# Altium PCB ecoVENTV_v1.1.PcbDoc (part 2 of 3)
Units mm, origin at the board's own origin, x right, y up, seen from the top; angles counter-clockwise.
Board outline 55 x 40 mm, 4 copper layers (Top Layer, GND, POWER, Bottom Layer), stack 1.269 mm thick; 195 components, 115 nets, 548 pads, 345 vias.
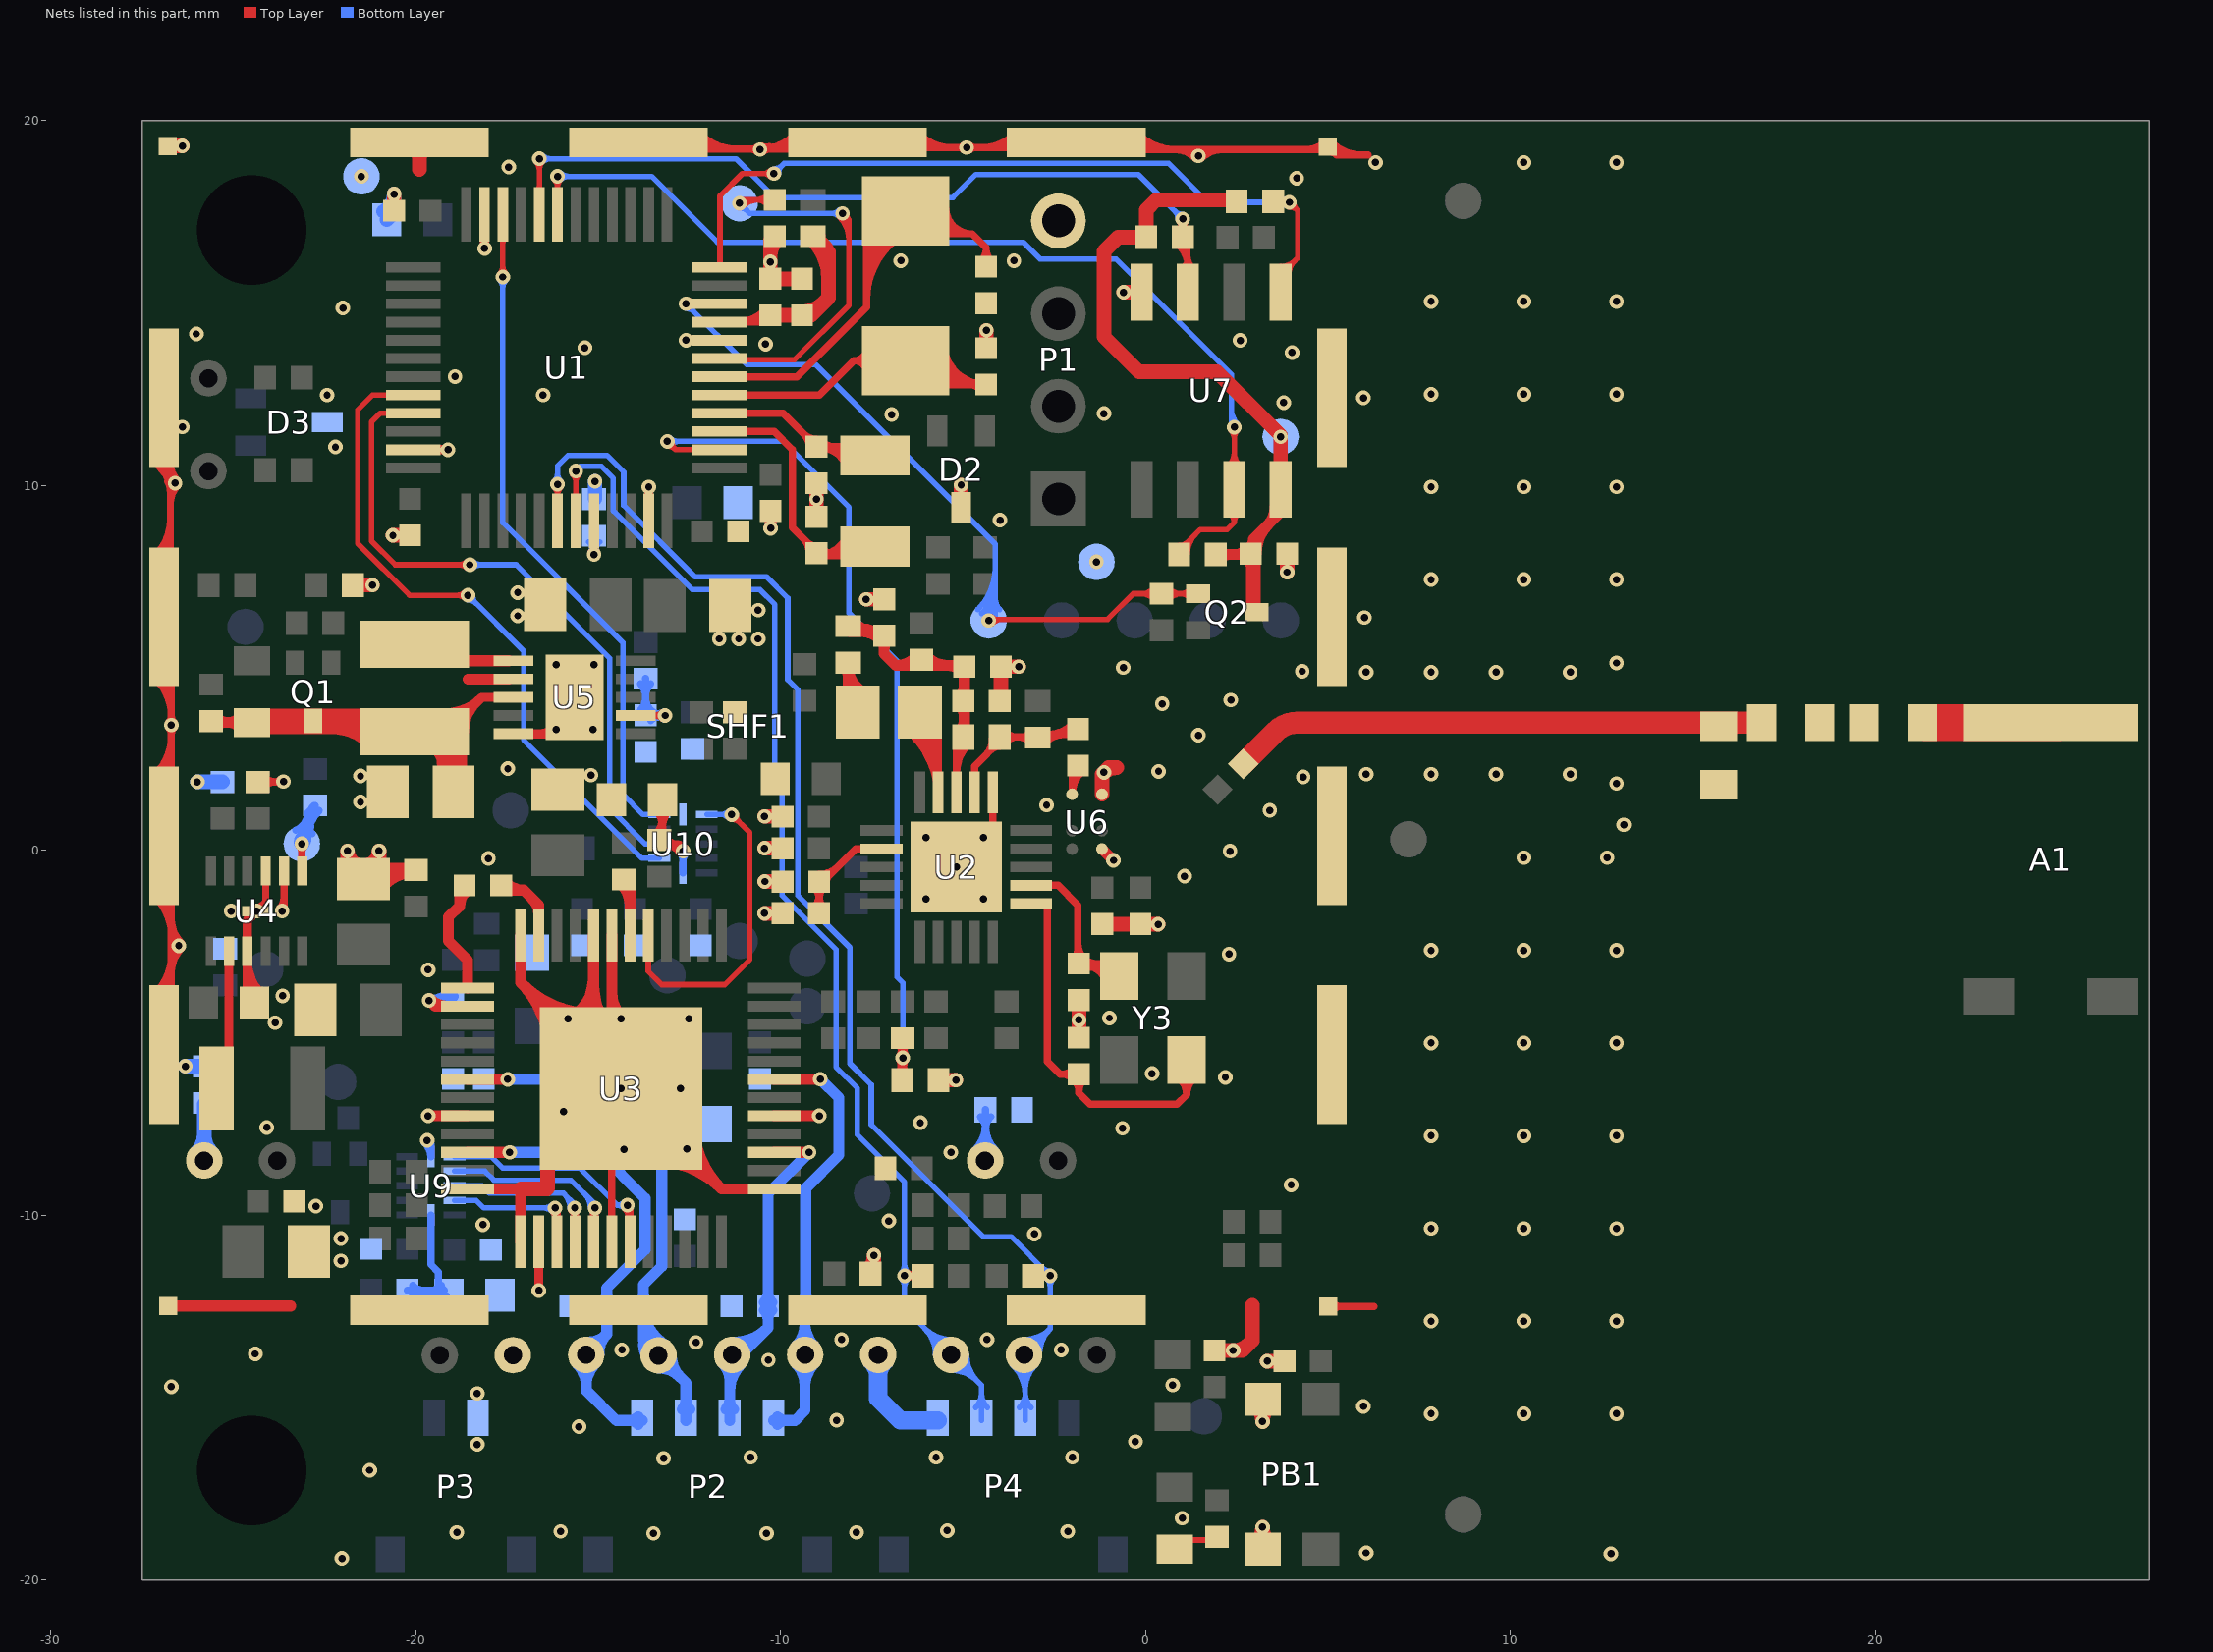
[diagram p4: the nets of this part, all layers, seen from the top]

## Via types
v1: diameter 0.4, hole 0.2, Top Layer to Bottom Layer, tented both sides, 327 vias
v2: diameter 0.4, hole 0.2, Top Layer to Bottom Layer, tented top, 11 vias
v3: diameter 0.4, hole 0.2, Top Layer to Bottom Layer, 7 vias

## Nets (pads, with @x,y where several pads share a name; then routed paths per layer and width w, separated by ;. In a path a pad name is that pad's centre, name@x,y a point inside that pad or via, vN(x,y) a via of type N, cw(c..) or ccw(c..) an arc to the next point about the centre after c; other vN are vias at no path point) (continued)
BATTERY_LOW: R5.2 R41.2 U1.2 | length 30.1
  Top Layer w0.15: v1@-13.11,11.08 cw(c-13.11,10.778) -12.896,10.991 cw(c-12.683,11.205) v1@-12.985,11.205 ; v1(-13.11,11.205) -12.882,10.977 U1.2@-11.666,10.977 ; U1.2@-12.321,10.928 ccw(c-12.44,10.808) -12.44,10.977 ccw(c-12.44,11.146) U1.2@-12.321,11.027 ; R5.2@-6.834,-6.112 ccw(c-7.259,-5.686) v1(-6.658,-5.686) ; R41.2@-6.817,-5.304 cw(c-7.197,-5.686) v1(-6.658,-5.686) ; v1@-6.766,-5.749 cw(c-7.028,-5.9) -6.736,-5.978 cw(c-6.445,-6.056) v1@-6.595,-5.795 ; v1@-6.762,-5.618 ccw(c-6.97,-5.481) -6.73,-5.417 ccw(c-6.49,-5.353) v1@-6.602,-5.575 ; v1@-6.746,-5.775 cw(c-6.96,-5.988) -6.658,-5.988 cw(c-6.356,-5.988) v1@-6.57,-5.775 ; v1@-6.746,-5.598 ccw(c-6.96,-5.385) -6.658,-5.385 ccw(c-6.356,-5.385) v1@-6.57,-5.598 ; v1@-6.72,-5.795 cw(c-6.835,-5.992) -6.614,-5.933 ; v1@-6.714,-5.575 ccw(c-6.826,-5.353) -6.586,-5.417 ccw(c-6.346,-5.481) v1@-6.554,-5.618 ; R5.2@-6.658,-6.228 v1(-6.658,-5.686) ; v1@-6.658,-5.77 ccw(c-6.174,-5.77) R5.2@-6.516,-6.112 ; R41.2@-6.658,-5.145 v1(-6.658,-5.686) ; R5.2@-6.603,-5.976 cw(c-6.369,-5.913) v1@-6.56,-5.763 ; R41.2@-6.499,-5.304 ccw(c-6.119,-5.686) v1(-6.658,-5.686)
  Bottom Layer w0.15: v1(-13.11,11.205) -9.935,11.205 -8.131,9.401 -8.131,6.506 -6.81,5.185 -6.81,-3.477 -6.658,-3.629 v1(-6.658,-5.686) ; v1@-13.021,11.116 cw(c-12.808,10.903) -12.808,11.205 cw(c-12.808,11.506) v1@-13.021,11.293 ; v1@-6.746,-5.598 ccw(c-6.96,-5.385) -6.658,-5.385 ccw(c-6.356,-5.385) v1@-6.57,-5.598
F\L\A\S\H\_\C\S\: R32.2 U1.12 U7.1 | length 26.2
  Top Layer w0.15: U1.12@-11.716,16.027 ccw(c-11.835,16.146) -11.666,16.146 ccw(c-11.497,16.146) U1.12@-11.617,16.027 ; U1.12@-11.666,15.977 -11.666,17.931 -11.052,18.545 v1(-10.189,18.545) ; v1@-10.277,18.457 ccw(c-10.49,18.243) -10.49,18.545 ccw(c-10.49,18.847) v1@-10.277,18.634 ; R32.2@3.494,17.783 v1@3.908,17.783 ; R32.2@3.571,17.783 cw(c3.571,17.395) v1@3.845,17.669 ; U7.1@3.678,14.733 U7.1@3.678,15.293 ; R32.2@3.683,17.661 cw(c3.908,17.514) v1@3.908,17.783 ; R32.2@3.683,17.906 ccw(c3.908,18.052) v1@3.908,17.783 ; R32.2@3.693,17.783 ccw(c3.693,17.998) v1@3.845,17.846 ; U7.1@3.695,15.293 3.908,15.507 3.908,15.98 4.162,16.234 4.162,17.529 v1(3.934,17.758) v1@3.908,17.783 ; U7.1@3.695,15.993 ccw(c3.695,16.541) 4.083,16.154 ; U7.1@3.92,15.768 cw(c4.458,15.768) 4.078,16.149 ; v1@3.934,17.633 cw(c3.934,17.331) 4.147,17.544 cw(c4.361,17.758) v1@4.059,17.758
  Bottom Layer w0.15: v1(-10.189,18.545) -9.909,18.825 0.632,18.825 1.699,17.758 v1(3.934,17.758) ; v1@-10.189,18.67 ccw(c-10.189,18.972) -9.975,18.759 ccw(c-9.762,18.545) v1@-10.064,18.545 ; v1@3.845,17.669 ccw(c3.632,17.456) 3.632,17.758 ccw(c3.632,18.06) v1@3.845,17.846
F\L\A\S\H\_\E\N\: Q2.1 R13.2 TP1.1 U1.10 | length 29.4
  Top Layer w0.15: v1(-12.596,14.977) U1.10@-11.666,14.977 ; v1@-12.507,14.889 cw(c-12.294,14.675) -12.294,14.977 cw(c-12.294,15.279) v1@-12.507,15.065 ; U1.10@-12.321,14.928 ccw(c-12.44,14.808) -12.44,14.977 ccw(c-12.44,15.146) U1.10@-12.321,15.027 ; v1@-4.22,6.328 -1.045,6.328 -0.341,7.031 R13.2@0.429,7.031 Q2.1@1.432,7.031 ; v1@-4.212,6.212 cw(c-3.931,5.931) -3.931,6.328 ; v1@-4.212,6.388 ccw(c-4.065,6.535) -4.065,6.328 ; R13.2@0.245,6.872 ccw(c-0.14,6.488) -0.14,7.031 ccw(c-0.14,7.574) R13.2@0.245,7.19 ; R13.2@0.613,6.872 cw(c0.997,6.488) 0.997,7.031 cw(c0.997,7.574) R13.2@0.613,7.19 ; Q2.1@1.228,6.907 ccw(c0.93,6.609) 0.93,7.031 ccw(c0.93,7.453) Q2.1@1.228,7.155
  Bottom Layer w0.15: v1@-12.596,14.852 cw(c-12.596,14.55) -12.382,14.764 cw(c-12.169,14.977) v1@-12.471,14.977 ; v1(-12.596,14.977) -10.933,13.314 -9.047,13.314 -4.118,8.385 -4.118,6.429 TP1.1@-4.245,6.302 ; TP1.1@-4.601,6.601 ccw(c-5.765,7.765) -4.118,7.765 ; TP1.1@-4.494,6.494 ccw(c-5.403,7.403) -4.118,7.403 ; TP1.1@-4.322,6.288 cw(c-4.122,6.396) TP1.1@-4.319,6.509 ; TP1.1@-4.282,6.282 ccw(c-4.679,6.679) TP1.1@-4.118,6.679 ; TP1.1@-4.19,6.359 cw(c-3.844,6.546) TP1.1@-4.184,6.742 ; -4.118,6.887 ccw(c-3.713,6.887) TP1.1@-3.999,6.601 ; TP1.1@-4.388,6.388 ccw(c-5.041,7.041) -4.118,7.041 cw(c-5.041,7.041) TP1.1@-4.388,6.388
  other v1: -4.3,6.3
F\L\A\S\H\_\H\O\L\D\: R31.2 U1.19 U7.7 | length 32.5
  Top Layer w0.15: v1@-16.205,18.381 cw(c-16.418,18.167) -16.116,18.167 cw(c-15.814,18.167) v1@-16.028,18.381 ; U1.19@-16.166,18.082 ccw(c-16.285,18.201) -16.116,18.201 ccw(c-15.947,18.201) U1.19@-16.067,18.082 ; U1.19@-16.116,17.427 v1(-16.116,18.469) ; R31.2@0.919,8.106 0.919,8.215 1.495,8.792 2.232,8.792 2.425,8.985 ; R31.2@0.919,8.356 ccw(c0.919,8.695) 1.159,8.455 ; R31.2@0.994,8.131 cw(c1.38,8.131) R31.2@1.107,8.403 ; R31.2@1.144,8.131 cw(c1.892,8.131) 1.363,8.659 ; U7.7@2.266,10.528 ccw(c1.882,10.912) 2.425,10.912 ccw(c2.968,10.912) U7.7@2.584,10.528 ; U7.7@2.295,9.234 cw(c2.119,8.985) 2.425,8.985 ; v1@2.337,11.507 cw(c2.123,11.294) 2.425,11.294 cw(c2.727,11.294) v1@2.513,11.507 ; v1(2.425,11.596) U7.7@2.425,9.893 2.425,8.985 ; U7.7@2.555,9.234 ccw(c2.731,8.985) 2.425,8.985
  Bottom Layer w0.15: v1(-16.116,18.469) -13.541,18.469 -11.738,16.666 -3.356,16.666 -2.899,16.208 -0.816,16.208 2.349,13.044 v1@2.349,11.52 ; v1@-16.028,18.381 cw(c-15.814,18.167) -15.814,18.469 cw(c-15.814,18.771) v1@-16.028,18.557 ; 2.349,12.082 ccw(c2.911,12.082) v1@2.513,11.684
F\L\A\S\H\_\W\P\: R30.2 U1.20 U7.3 | length 27.7
  Top Layer w0.15: v1@-16.705,18.862 cw(c-16.918,18.648) -16.616,18.648 cw(c-16.314,18.648) v1@-16.528,18.862 ; U1.20@-16.666,18.082 ccw(c-16.785,18.201) -16.616,18.201 ccw(c-16.447,18.201) U1.20@-16.567,18.082 ; U1.20@-16.616,17.427 v1(-16.616,18.95) ; R30.2@0.856,16.617 cw(c0.134,15.895) U7.3@1.155,15.895 ; R30.2@0.873,17 ccw(c0.631,17.298) v1@1.015,17.298 ; v1@0.924,17.212 cw(c0.706,16.994) R30.2@1.015,16.994 ; R30.2@0.962,16.723 cw(c0.496,16.257) 1.155,16.257 ; v1@0.988,17.178 cw(c0.968,17.077) 1.067,17.104 cw(c1.169,17.131) v1@1.097,17.209 ; U7.3@0.996,15.928 ccw(c0.612,16.312) 1.155,16.312 ccw(c1.698,16.312) U7.3@1.314,15.928 ; v1(1.013,17.301) v1@1.015,17.298 ; R30.2@1.015,17.004 cw(c1.309,17.004) v1@1.101,17.212 ; U7.3@1.155,15.293 1.155,16.661 R30.2@1.015,16.801 v1@1.015,17.298 ; R30.2@1.157,17 cw(c1.399,17.298) v1@1.015,17.298
  Bottom Layer w0.15: v1(-16.616,18.95) -11.229,18.95 -10.168,17.889 -5.282,17.889 -4.651,18.52 -0.206,18.52 v1(1.013,17.301) ; v1@-16.528,18.862 cw(c-16.314,18.648) -16.314,18.95 cw(c-16.314,19.252) v1@-16.528,19.039 ; v1@0.888,17.301 ccw(c0.586,17.301) 0.799,17.514 ccw(c1.013,17.727) v1@1.013,17.426
F_VCC: C43.1 Q2.3 R30.1 R31.1 R32.1 TP5.1 U7.8 | length 22.5
  Top Layer w0.3: R31.1@1.919,8.106 2.926,8.106 2.951,8.131 2.951,8.52 ; R31.1@2.025,8 cw(c2.281,7.744) 2.281,8.106 cw(c2.281,8.468) R31.1@2.025,8.212 ; 2.452,8.106 ccw(c2.452,8.555) C43.1@2.769,8.237 ; 2.574,8.106 cw(c2.574,7.83) C43.1@2.769,8.025 ; C43.1@2.801,8.262 ccw(c2.654,8.52) 2.951,8.52 ; C43.1@3.025,8.131 cw(c4.142,8.131) 3.352,8.921 ; 3.33,8.899 ccw(c2.81,9.418) U7.8@3.545,9.418 ; U7.8@3.695,9.893 3.695,9.264 2.951,8.52
  Top Layer w0.4: R32.1@2.494,17.783 2.45,17.828 0.295,17.828 0.015,17.547 R30.1@0.015,16.801 -0.757,16.801 -1.146,16.412 -1.146,14.075 -0.181,13.11 1.953,13.11 3.695,11.367 U7.8@3.695,9.893 ; C43.1@2.804,8.06 cw(c2.45,7.706) 2.951,7.706 ; C43.1@2.951,8.131 2.951,6.612 Q2.3@3.032,6.531
  other v2: 3.695,11.332
GND: C1.2 C2.2 C3.2 C4.2 C5.2 C6.2 C7.2 C8.2 C9.2 C10.2 C11.2 C12.2 C13.2 C14.2 C16.2 C18.2 C19.2 C20.2 C21.2 C22.2 C23.2 C24.2 C25.2 C26.2 C27.2 C28.2 C29.2 C30.2 C31.2 C32.2 C33.2 C34.2 C35.2 C36.2 C37.2 C39.2 C42.2 C43.2 C44.2 C45.2 C47.2 C48.2 C49.2 C50.2 C51.2 C52.2 C53.2 C54.2 C55.2 C56.2 C57.2 C58.2 C59.2 C60.2 C61.2 D2.3 D3.3 L13.2 L14.1 L15.1 P1.4 P3.1 P4.4 PB1.3 PB1.4 R2.1 R5.1 R11.1 R16.1 R18.1 R23.1 R24.1 R29.1 R51.2 R52.1 R53.1 SHF1.1 SHF1.2 SHF1.3 SHF1.4 SHF1.5 SHF1.6 SHF1.7 SHF1.8 SHF1.9 SHF1.10 SHF1.11 SHF1.12 SHF1.13 SHF1.14 SHF1.15 SHF1.16 SHF1.17 SHF1.18 SHF1.19 SHF1.20 TP8.1 TP9.1 TP24.1 TP29.1 U1.8 U1.23 U1.35 U1.47 U2.11 U2.21 U3.1 U3.2 U3.6 U3.13 U3.17 U3.31 U3.32 U3.36 U3.44 U3.48 U3.49 U4.3 U4.8 U4.9 U4.13 U5.5 U5.11 U6.A1 U6.C1 U7.4 U9.6 U10.6 | length 211.1
  Top Layer w0.2: SHF1.2@-27.112,-3.888 ccw(c-28.11,-2.89) -26.699,-2.89 ; SHF1.3@-27.112,-1.312 cw(c-28.11,-2.31) -26.699,-2.31 ; SHF1.3@-27.112,2.112 ccw(c-28.11,3.11) -26.699,3.11 ; SHF1.4@-27.112,4.688 cw(c-28.11,3.69) -26.699,3.69 ; SHF1.4@-27.112,8.112 ccw(c-28.049,9.049) -26.724,9.049 ; SHF1.5@-27.112,10.688 cw(c-28.049,9.751) -26.724,9.751 ; SHF1.5@-27.025,10.528 ccw(c-26.35,10.894) v1@-26.569,10.157 ; SHF1.2@-26.971,-4.029 ccw(c-27.628,-3.372) -26.699,-3.372 ; SHF1.3@-26.971,-1.171 cw(c-27.628,-1.828) -26.699,-1.828 ; SHF1.3@-26.971,1.971 ccw(c-27.628,2.628) -26.699,2.628 ; SHF1.4@-26.971,4.829 cw(c-27.628,4.172) -26.699,4.172 ; SHF1.4@-26.971,7.971 ccw(c-27.566,8.566) -26.724,8.566 ; SHF1.5@-26.971,10.829 cw(c-27.566,10.234) -26.724,10.234 ; SHF1.2@-26.9,-5.6 -26.699,-5.399 -26.699,0.199 SHF1.3@-26.9,0.4 -26.699,0.601 -26.699,6.199 SHF1.4@-26.9,6.4 -26.724,6.576 -26.724,12.224 SHF1.5@-26.9,12.4 ; -26.795,10.103 ccw(c-26.544,10.239) v1@-26.625,9.966 ; -26.784,10.457 ccw(c-26.293,10.588) v1@-26.547,10.148 ; v1@-26.769,3.361 cw(c-26.94,3.191) -26.699,3.191 cw(c-26.457,3.191) v1@-26.628,3.361 ; v1@-26.769,3.503 ccw(c-26.94,3.674) -26.699,3.674 ccw(c-26.457,3.674) v1@-26.628,3.503 ; -26.759,10.364 ccw(c-26.466,10.443) v1@-26.565,10.156 ; -26.724,9.514 cw(c-26.049,9.514) v1@-26.526,9.991 ; SHF1.5@-26.724,10.61 ccw(c-26.049,10.61) v1@-26.526,10.132 ; -26.699,-3.345 cw(c-25.763,-3.345) v1@-26.425,-2.684 ; -26.699,-2.862 cw(c-26.246,-2.862) v1@-26.566,-2.542 ; -26.699,-2.364 ccw(c-26.246,-2.364) v1@-26.566,-2.684 ; -26.699,-1.881 ccw(c-25.763,-1.881) v1@-26.425,-2.542 ; v3(-24.363,-1.663) -24.113,-1.413 U4.9@-24.113,-0.563 ; U4.13@-24.363,-1.563 ccw(c-24.363,-1.321) -24.193,-1.492 ccw(c-24.022,-1.663) U4.13@-24.263,-1.663 ; R16.1@-24.336,1.875 -23.633,1.875 v1(-23.625,1.883) ; R16.1@-24.17,1.733 cw(c-23.829,1.392) -23.829,1.875 cw(c-23.829,2.358) R16.1@-24.17,2.016 ; -23.886,1.875 ccw(c-23.886,2.144) v1@-23.696,1.954 ; -23.847,1.875 cw(c-23.847,1.661) v1@-23.696,1.812 ; v3@-23.734,-1.592 ccw(c-24.026,-1.301) -23.613,-1.301 ; v3(-23.663,-1.663) -23.613,-1.613 U4.8@-23.613,-0.563 ; U3.6@-14.63,-10.725 -14.634,-10.721 -14.634,-6.779 v2(-14.38,-6.525) ; U3.49@-14.48,-6.525 cw(c-14.721,-6.525) -14.55,-6.695 cw(c-14.38,-6.866) U3.49@-14.38,-6.625 ; SHF1.8@-13.9,19.222 SHF1.9@-7.9,19.222 ; SHF1.8@-12.329,19.471 ccw(c-11.729,20.071) -11.729,19.222 ; SHF1.8@-12.188,19.612 ccw(c-11.246,20.554) -11.246,19.222 ; -10.851,19.222 cw(c-10.851,18.924) v1@-10.64,19.135 ; -10.771,19.222 ccw(c-10.771,19.407) v1@-10.64,19.276 ; v1@-10.554,19.222 ccw(c-10.554,20.554) SHF1.9@-9.612,19.612 ; v1@-10.52,19.292 ccw(c-10.419,19.466) -10.367,19.272 ; v1@-10.499,19.135 cw(c-10.288,18.924) -10.288,19.222 ; v1@-10.499,19.276 ccw(c-10.368,19.407) -10.368,19.222 ; v1@-10.483,19.156 cw(c-10.239,19.015) -10.312,19.287 ; -10.071,19.222 ccw(c-10.071,20.071) SHF1.9@-9.471,19.471 ; SHF1.9@-7.9,19.256 v1(-4.905,19.256) SHF1.10@-1.9,19.256 ; SHF1.9@-6.329,19.471 ccw(c-5.812,19.988) -5.812,19.256 ; SHF1.9@-6.188,19.188 cw(c-6.022,19.022) SHF1.9@-6.022,19.256 ; SHF1.9@-6.188,19.612 ccw(c-5.329,20.471) -5.329,19.256 ; v1(-5.188,-0.458) U2.21@-4.188,0.542 ; U2.21@-5.188,-0.358 ccw(c-5.188,-0.117) -5.018,-0.287 ccw(c-4.847,-0.458) U2.21@-5.088,-0.458 ; v1@-4.976,19.186 ccw(c-5.147,19.015) -5.147,19.256 ccw(c-5.147,19.498) v1@-4.976,19.327 ; v1@-4.835,19.186 cw(c-4.664,19.015) -4.664,19.256 cw(c-4.664,19.498) v1@-4.835,19.327 ; U2.21@-4.66,0.071 ccw(c-4.938,0.349) U2.21@-4.545,0.349 ; -4.471,19.256 ccw(c-4.471,20.471) SHF1.10@-3.612,19.612 ; U2.21@-4.438,0.448 ccw(c-4.416,0.77) U2.21@-4.188,0.542 ; U2.11@-4.188,1.592 U2.21@-4.188,0.542 ; -3.988,19.256 ccw(c-3.988,19.988) SHF1.10@-3.471,19.471 ; SHF1.10@-3.778,19.256 cw(c-3.778,19.022) SHF1.10@-3.612,19.188 ; SHF1.10@-1.9,19.4 -1.706,19.206 4.906,19.206 SHF1.11@4.989,19.289 5.225,19.053 6.093,19.053 ; SHF1.10@-0.329,19.471 ccw(c0.311,20.111) 0.311,19.206 ; SHF1.10@-0.188,19.612 ccw(c0.794,20.594) 0.794,19.206 ; 0.774,19.206 cw(c0.774,18.357) v1@1.374,18.957 ; 1.257,19.206 cw(c1.257,18.84) v1@1.515,19.099 ; v1@1.374,19.099 cw(c1.632,18.84) 1.632,19.206 ; v1@1.515,18.957 cw(c2.115,18.357) 2.115,19.206 ; 4.426,19.206 ccw(c4.426,19.852) SHF1.11@4.883,19.395 ; SHF1.11@4.954,19.254 ccw(c5.438,19.738) 5.438,19.053 ; SHF1.16@5,-12.5 6.252,-12.5 ; SHF1.11@5.095,19.395 ccw(c5.92,20.22) 5.92,19.053 ; SHF1.16@5.106,-12.606 cw(c5.362,-12.862) 5.362,-12.5 cw(c5.362,-12.138) SHF1.16@5.106,-12.394
  Top Layer w0.25: -16.64,-9.275 -16.635,-9.28 ; v1(-16.63,-12.062) U3.2@-16.63,-10.725
  Top Layer w0.254: -24.623,-3.612 ccw(c-23.898,-3.612) C19.2@-24.41,-4.124 ; U4.3@-24.623,-2.999 ccw(c-23.285,-2.999) C19.2@-24.231,-3.945 ; U4.3@-24.623,-2.834 -24.623,-4.006 C19.2@-24.256,-4.373 ; U4.3@-24.613,-2.763 -24.613,-1.913 v3(-24.363,-1.663) ; U1.35@-20.066,10.977 v1(-19.117,10.977) ; v1(-18.116,16.496) U1.23@-18.116,17.427 ; U5.5@-17.455,3.194 -16.37,3.194 ccw(c-16.37,3.336) U5.11@-16.23,3.316 ; -16.602,3.194 ccw(c-16.602,3.749) U5.11@-16.209,3.357 ; U1.47@-13.616,9.027 v1(-13.616,9.958) ; v1(-12.597,13.977) U1.8@-11.666,13.977 ; C1.2@-10.401,9.176 cw(c-10.696,8.88) -10.278,8.88 cw(c-9.861,8.88) C1.2@-10.156,9.176 ; v1@-10.341,8.861 ccw(c-10.537,8.974) C1.2@-10.319,9.032 ; v1(-10.278,8.825) C1.2@-10.278,9.298 ; C1.2@-10.237,9.032 ccw(c-10.02,8.974) v1@-10.215,8.861
  Top Layer w0.3: SHF1.1@-26.789,-12.489 -23.427,-12.489 ; v1(-19.663,-7.275) U3.44@-18.58,-7.275 ; U3.48@-18.58,-9.275 -17.123,-9.275 -17.13,-9.281 U3.1@-17.13,-10.725 ; U3.36@-17.13,-2.325 -17.13,-3.622 ; -16.741,-4.011 cw(c-18.383,-5.653) U3.49@-16.114,-6.147 ; -16.698,-4.053 ccw(c-14.931,-2.286) U3.49@-14.609,-4.764 ; U3.49@-16.433,-4.319 ccw(c-15.827,-3.713) U3.49@-15.827,-4.57 ; U3.49@-16.407,-6.083 ccw(c-19.021,-5.514) -17.129,-3.622 ; U3.49@-16.386,-8.582 -16.036,-8.232 -15.477,-8.232 -15.13,-7.884 -15.13,-7.275 U3.49@-14.634,-6.779 ; U3.49@-16.353,-4.399 cw(c-17.745,-5.792) U3.49@-15.821,-6.211 ; U3.49@-16.268,-4.484 ccw(c-14.832,-3.049) U3.49@-14.57,-5.062 ; U3.49@-16.238,-4.508 ccw(c-15.984,-4.192) U3.49@-15.845,-4.573 ; U3.49@-15.964,-4.788 cw(c-17.107,-5.931) U3.49@-15.528,-6.275 ; U3.49@-15.847,-5.057 ccw(c-17.578,-3.326) -15.13,-3.326 ; U3.49@-15.843,-4.572 ccw(c-16.161,-3.613) -15.258,-4.067 ; U3.49@-15.783,-4.597 ccw(c-15.18,-4.292) U3.49@-15.39,-4.934 ; U3.49@-15.779,-4.633 ccw(c-14.995,-4.843) U3.49@-15.698,-5.249 ; U3.49@-15.777,-4.62 ccw(c-14.921,-4.62) U3.49@-15.527,-5.225 ; U3.49@-15.635,-5.269 ccw(c-16.854,-4.05) -15.13,-4.05 ; U3.49@-15.13,-5.775 U3.49@-14.63,-6.275 ; -15.13,-4.109 ccw(c-13.396,-4.109) U3.49@-14.05,-5.714 ; -15.13,-3.663 ccw(c-13.215,-3.663) U3.49@-13.937,-5.436 ; U3.32@-15.13,-2.325 -15.13,-5.622 -17.13,-3.622 ; U3.49@-14.647,-4.467 cw(c-15.03,-1.523) -17.129,-3.622 ; U3.49@-14.63,-5.344 cw(c-13.655,-5.344) U3.49@-14.344,-4.655 ; -14.63,-3.895 ccw(c-13.655,-3.895) U3.49@-14.344,-4.584 ; U3.31@-14.63,-2.325 U3.49@-14.63,-6.275 ; U3.49@-14.367,-4.668 cw(c-14.238,-5.181) U3.49@-13.967,-4.727 ; U3.49@-14.331,-4.609 ccw(c-13.714,-4.478) U3.49@-14.057,-5.007 ; U3.49@-14.094,-7.972 cw(c-13.735,-9.79) -12.425,-8.479 cw(c-11.115,-7.169) U3.49@-12.933,-6.81 ; U3.49@-14.036,-8.266 cw(c-13.604,-10.454) -12.027,-8.877 cw(c-10.451,-7.3) U3.49@-12.638,-6.868 ; U3.49@-13.978,-8.56 cw(c-13.473,-11.118) -11.63,-9.274 ; U3.49@-13.026,-8.154 ccw(c-12.841,-7.625) U3.49@-12.598,-8.131 ; U3.49@-12.922,-7.982 ccw(c-12.576,-7.637) U3.49@-12.576,-8.126 ; U3.49@-12.747,-7.884 ccw(c-12.35,-7.773) U3.49@-12.552,-8.132 ; U3.49@-12.617,-8.146 ccw(c-12.921,-7.923) U3.49@-12.548,-7.866 ; U3.49@-12.586,-8.225 cw(c-12.648,-8.548) U3.49@-12.375,-8.363 ; U3.49@-12.527,-8.183 ccw(c-12.185,-8.23) U3.49@-12.408,-8.493 ; U3.49@-12.526,-8.181 ccw(c-12.152,-8.218) U3.49@-12.444,-8.456 ; U3.49@-12.526,-8.176 ccw(c-12.038,-8.176) U3.49@-12.383,-8.521 ; U3.49@-12.344,-6.926 ccw(c-9.786,-7.431) -11.63,-9.274 ; U3.13@-10.18,-9.275 -11.63,-9.275 ; U3.17@-10.18,-7.275 v1(-8.944,-7.275) ; U6.A1@-1.197,0.037 v1(-0.884,-0.276) ; U3.49@-14.63,-6.275 v2(-14.38,-6.525) -11.63,-9.275
  Top Layer w0.4: SHF1.6@-26.8,19.3 v1(-26.4,19.3) ; C23.2@-21.873,-0.505 v1(-21.873,-0.014) ccw(c-21.467,-0.014) C23.2@-21.53,-0.415 ; R29.1@-21.728,7.268 v1(-21.187,7.268) ; C23.2@-21.439,-0.785 -21.191,-0.538 R52.1@-19.993,-0.538 ccw(c-19.993,-1.823) C23.2@-20.996,-1.02 ; C23.2@-21.35,-0.415 ccw(c-21.416,-0.014) v1(-21.009,-0.014) C23.2@-21.009,-0.505 ; v1(-20.628,8.63) C3.2@-20.162,8.631 ; C2.2@-20.595,17.529 v1(-20.595,17.985) ; SHF1.7@-20.041,19.259 cw(c-20.383,18.917) -19.9,18.917 cw(c-19.417,18.917) SHF1.7@-19.759,19.259 ; -19.9,18.655 SHF1.7@-19.9,19.4 ; -17.123,-9.275 -16.64,-9.275 -16.402,-9.275 -16.386,-9.259 U3.49@-16.386,-8.582 ; v1(-10.442,-1.724) C7.2@-9.952,-1.724 ; v1(-10.442,0.06) C31.2@-9.952,0.06 ; v1(-10.442,0.928) C32.2@-9.952,0.928 ; v1(-10.439,-0.854) C33.2@-9.948,-0.854 ; C9.2@-10.335,15.661 C8.2@-9.421,15.661 ; C9.2@-10.284,15.661 v1(-10.284,16.127) -10.284,16.705 C42.2@-10.163,16.826 ; v1@-10.284,16.292 cw(c-9.629,16.292) C42.2@-10.092,16.755 ; C10.2@-9.02,9.08 C11.2@-9.02,10.062 ; v1(-7.658,6.879) C34.2@-7.168,6.879 ; R51.2@-7.61,-11.504 ccw(c-8.006,-11.108) v1@-7.445,-11.108 ; R51.2@-7.539,-11.6 -7.445,-11.506 v1(-7.445,-11.097) ; R5.1@-5.675,-6.296 v1(-5.202,-6.296) ; D2.3@-5.058,9.393 v2(-5.058,10.011) ; C12.2@-4.366,13.762 v1(-4.366,14.252) ; C36.2@-4.07,4.163 ccw(c-4.31,4.404) -3.97,4.404 ; C36.2@-3.97,4.093 C35.2@-3.97,5.032 v1(-3.48,5.032) ; C39.2@-1.836,-5.1 -1.832,-5.096 C37.2@-1.832,-4.101 ; U6.C1@-1.197,1.537 -1.197,2.086 -1.019,2.264 -0.791,2.264 ccw(c-0.791,1.712) v1@-1.181,2.102 ; C29.2@-1.19,-2.021 C28.2@-0.149,-2.021 ; v1(-0.606,15.293) U7.4@-0.115,15.293 ; C28.2@-0.149,-2.027 v1(0.342,-2.027) ; C45.2@1.885,-13.706 v1(2.393,-13.706) ; 2.824,-13.527 cw(c2.393,-13.095) v1(2.393,-13.706) ; 2.918,-12.468 2.918,-13.433 2.646,-13.706 v1(2.393,-13.706) ; PB1.3@3.024,-18.973 ccw(c2.6,-18.548) v1(3.2,-18.548) ccw(c3.8,-18.548) PB1.3@3.376,-18.973 ; PB1.4@3.024,-15.227 cw(c2.6,-15.652) v1(3.2,-15.652) ; PB1.3@3.2,-19.15 v1(3.2,-18.548) ; PB1.4@3.2,-15.05 v1(3.2,-15.652) ; v1(3.327,-14) C44.2@3.8,-14 ; PB1.4@3.376,-15.227 ccw(c3.8,-15.652) v1(3.2,-15.652) ; v1(3.875,7.623) C43.2@3.875,8.131
  Bottom Layer w0.2: v1@-19.756,-8.021 cw(c-20.103,-8.403) U9.6@-19.587,-8.403 ; v1(-19.688,-7.947) cw(c-19.932,-8.192) U9.6@-19.587,-8.192 ; v1(-19.688,-7.947) -19.587,-8.049 U9.6@-19.587,-8.392
  Bottom Layer w0.4: v1(-26.318,-5.915) -25.767,-5.915 L14.1@-25.759,-5.923 ; v1(-25.987,1.875) R18.1@-25.302,1.875 ; C6.2@-20.886,17.507 ccw(c-21.132,17.985) v1(-20.595,17.985) -20.595,17.479 C6.2@-20.795,17.279 ; R2.1@-15.091,9.647 v1(-15.091,10.112)
  Bottom Layer w0.5: TP29.1@-7.51,-14.001 cw(c-7.936,-14.428) -7.333,-14.428 cw(c-6.729,-14.428) TP29.1@-7.156,-14.001 ; TP29.1@-7.333,-13.825 -7.333,-15.019 -6.727,-15.625 P4.4@-5.7,-15.625
  other v1: -22.025,-19.402 12.748,-19.275 6.042,-19.25 -13.491,-18.717 -10.392,-18.717 -18.875,-18.691 -7.928,-18.691 -16.031,-18.666 -2.137,-18.666 -5.439,-18.64 1,-18.3 -21.263,-16.989 -13.211,-16.659 -10.824,-16.634 -5.744,-16.634 -2.01,-16.634 -18.317,-16.278 -0.283,-16.202 -15.531,-15.796 -8.469,-15.618 7.82,-15.44 10.36,-15.44 12.9,-15.44 5.966,-15.237 -18.317,-14.881 -26.7,-14.7 0.741,-14.653 -10.341,-13.967 -24.4,-13.8 -14.354,-13.687 -2.315,-13.687 -12.322,-13.484 -8.334,-13.408 -4.347,-13.408 7.82,-12.9 10.36,-12.9 12.9,-12.9 -22.05,-11.249 -22.05,-10.639 -3.051,-10.512 7.82,-10.36 10.36,-10.36 12.9,-10.36 -18.164,-10.258 -7.039,-10.157 -22.736,-9.75 3.985,-9.166 -5.337,-8.277 7.82,-7.82 10.36,-7.82 12.9,-7.82 -0.638,-7.617 -24.082,-7.591 -6.175,-7.464 2.181,-6.22 0.175,-6.118 7.82,-5.28 10.36,-5.28 12.9,-5.28 -23.854,-4.721 -1.832,-4.645 -0.994,-4.594 -23.651,-3.985 -19.663,-3.273 2.283,-2.842 7.82,-2.74 10.36,-2.74 12.9,-2.74 -26.495,-2.613 -6.019,-1.328 -4.445,-1.328 1.064,-0.708 -18.012,-0.225 10.36,-0.2 12.646,-0.2 2.308,-0.022 -6.019,0.349 -4.445,0.349 13.1,0.7 3.4,1.095 -2.717,1.238 -21.517,1.324 12.9,1.832 4.315,2.01 -21.517,2.035 -15.2,2.061 6.042,2.086 7.82,2.086 9.598,2.086 11.63,2.086 -1.146,2.137 0.352,2.162 -17.478,2.238 1.445,3.153 -26.699,3.432 0.454,4.016 2.334,4.118 6.042,4.88 7.82,4.88 9.598,4.88 11.63,4.88 4.289,4.905 -0.613,5.007 12.9,5.134 -11.687,5.794 -11.154,5.794 -10.62,5.794 5.991,6.379 -17.21,6.425 -10.62,6.582 -17.21,7.06 7.82,7.42 10.36,7.42 12.9,7.42 -1.349,7.903 -3.991,9.046 -9.02,9.622 7.82,9.96 10.36,9.96 12.9,9.96 -26.597,10.062 -22.203,11.052 -6.963,11.941 -1.146,11.967 3.781,12.271 5.966,12.398 -22.431,12.475 -16.513,12.475 7.82,12.5 10.36,12.5 12.9,12.5 -18.926,12.983 4.01,13.643 -15.37,13.77 -10.417,13.872 2.588,13.973 -26.013,14.151 -22,14.862 7.82,15.04 10.36,15.04 12.9,15.04 -6.709,16.158 -3.61,16.158 4.137,18.418 -21.492,18.469 -17.453,18.723 6.296,18.85 10.36,18.85 12.9,18.85 1.445,19.028 -10.57,19.206